# KiCad board Bread70.kicad_pcb (continued)
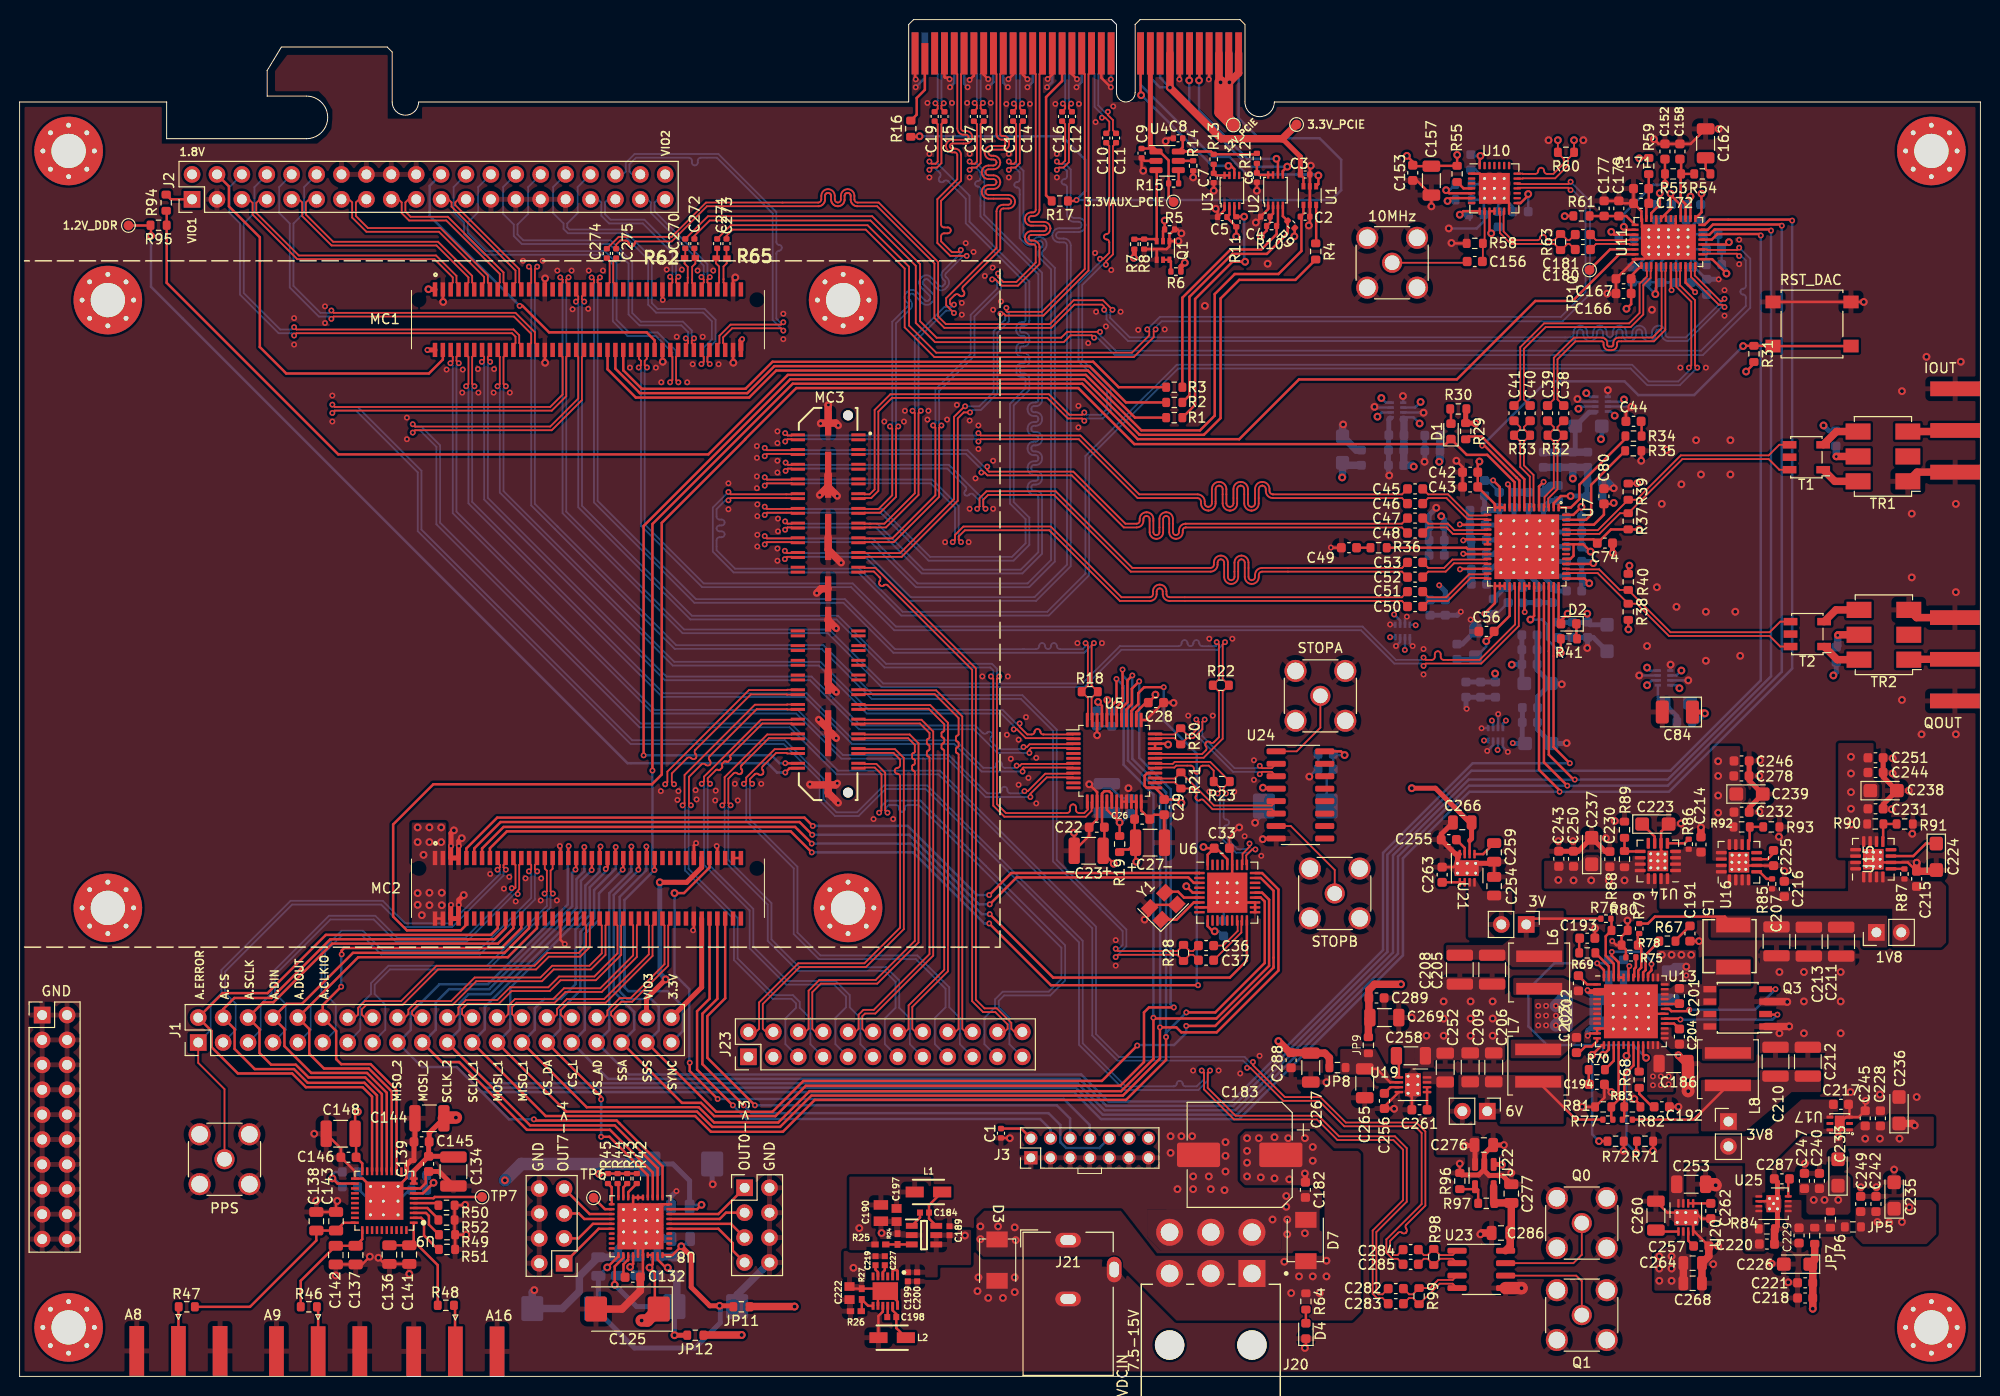
[diagram p0: board, top side]
## Copper pours and planes (outline as drawn; the poured copper is in the pictures) (continued)
GND on In1.Cu: 124.5,129.5 124.7,129.5 124.8,129.25 125.2,128.65 125.55,128.4 126,128.2 126.4,128.15 126.8,128.16 127.25,128.3 127.65,128.55 127.95,128.85 128.15,129.15 128.25,129.4 128.3,129.5 199.5,129.5 199.5,0.5 0.5,0.5 0.5,129.5 14.5,129.5 14.5,125.75 30.35,125.75 31.3,126.55 31.8,127.25 31.9,128.3 31.9,129.2 31.2,130.4 30.5,131.1 26.05,131.1 26.05,133.15 27.3,134.8 37.55,134.8 37.55,128.3 41.05,128.3 41.05,129.5 91,129.5 91,132.75 111.5,132.75 111.5,130 114,130 114,132.75 124.5,132.75
GND on In4.Cu: 124.55,129.5 124.75,129.5 124.95,129.1 125.1,128.85 125.3,128.65 125.45,128.5 125.85,128.3 126,128.25 126.25,128.2 126.45,128.15 126.8,128.15 127.05,128.2 127.35,128.35 127.6,128.45 127.95,128.8 128.15,129.05 128.25,129.25 128.35,129.5 199.55,129.5 199.55,0.5 0.55,0.5 0.55,129.5 14.55,129.5 14.55,125.75 30.35,125.75 31.3,126.55 31.8,127.25 31.9,128.3 31.95,128.3 31.9,129.2 31.2,130.4 30.5,131.1 26.05,131.1 26.05,133.15 27.3,134.8 37.55,134.8 37.55,128.3 41.1,128.3 41.1,129.5 91.05,129.5 91.05,132.75 111.55,132.75 111.55,130 114.05,130 114.05,132.75 124.55,132.75
/Clocks/VOUT+ on Top: 187.25,17.25 187.25,14.25 188,13.5 194.5,13.5 195.5,14.5 195.5,17.5 195,18 190.75,18 190,17.25
/Clocks/VOUT+ on In2.Cu: 188,23 187.5,22.5 187.5,14 188,13.5 198.5,13.5 199,14 199,110 177.5,122 167,122 161.5,117 161.5,108.5 162,108 177.5,108 192.5,99.5 192.5,34 196,31.5 196,24 195,23
/Power/Switching/SW1 on Top: 176.6,39.8 173.1,39.8 173.1,37.8 171,37.8 171,38.95 168.95,38.95 168.2,38.35 167.4,38.35 167.4,39.6 168.4,39.6 168.9,40 171.6,40 171.6,42.6 176.6,42.6
/Power/Switching/SW2 on Top: 173.1,34.9 176.9,34.9 176.9,32.2 171.6,32.2 171.6,33.4 168.4,33.4 167.4,34.4 167.4,35.6 168.5,35.6 168.5,34.75 168.85,34.4 171,34.4 171,37.3 173.1,37.3
IOVDD on Top: 181.5,19.75 181.5,18.5 182.25,18.5 182.25,16.75 182.5,16.5 186.5,16.5 186.75,16.75 186.75,20.25 186.5,20.5 184.75,20.5 184.25,19.75
IOVDD on In2.Cu: 178.5,103 178.5,100.5 178,100 157.5,100 150,92.5 150,80.5 151.5,79 160.5,79 161.5,78 161.5,66.5 177.5,52 177.5,32.5 186.5,23.5 186.5,17 185.5,16 182,16 181,17 181,22.13 171.5,31.7 171.5,49 148,71.5 148,78.5 144.5,81.9 144.5,98 145.5,99.5 149,99.5 153,103.5 178,103.5
VDCIN on Top: 134,23 136.5,23 136.8,22.7 136.8,6.6 135.9,5.7 118,5.7 111.5,12.2 98.3,12.2 97.6,12.9 97.6,16.1 98.4,16.9 112.32,16.9 115.9,12.3 133.1,12.3 133.1,18.9 132.5,19.5 125,19.5 124.5,20 124.5,24.5 125,25 132,25
VDCIN on Top: 171,40.3 168.35,40.3 168.35,39.8 167.4,39.8 167.4,40.3 166.5,40.3 166.5,41.5 167,41.5 167,43.5 171,43.5
VDCIN on Top: 97.05,14.95 92.4,14.95 92.4,12.6 88.9,12.6 88.9,10.1 93.65,10.1 93.65,11.35 97.05,11.35
VDCIN on Top: 166,34.2 167.2,34.2 168.7,32.7 168.7,29 166,29
VDCIN on Top: 161.3,37.6 161.3,36.8 160,36.8 157.7,35 154.5,35 154.5,38.5 157.8,38.5 160,37.6
VDCIN on Top: 43.5,46 40,46 40,56.5 43.5,56.5
VDCIN on In3.Cu: 99.75,67.75 99.75,57.75 129.5,28 154.45,40.78 159.75,43.5 172,43.5 173,42.5 173,31.45 136,8.95 136,1.5 135,0.5 81.5,0.5 80,2 80,26 82,28 102,28 103.75,29.75 103.75,37 103.25,37.5 82.5,37.5 76.75,43.25 76.75,60.75 74.5,63 44.25,63 43.5,62.25 43.5,46 36.25,46 34,48.25 34,71.75 35.75,73.5 94,73.5
Net-(C202-Pad2) on Top: 159.45,39.7 159.45,38.9 160.1,38.6 161.3,38.6 161.3,37.85 160,37.85 157.55,38.9 152.35,38.9 152.35,40.65 157.45,40.65
Net-(C203-Pad2) on Top: 161.3,36.6 160.1,36.6 157.3,34.35 152.1,34.35 152.1,32.45 157.05,32.45 158.8,34.05 159.3,34.05 159.3,35.2 160.05,35.85 161.3,35.85
Net-(JP5-A) on Top: 180,18 180,16 181,14.5 186.75,14.5 186.75,16 182,16 181.75,16.25 181.75,18

## Text on the board
User.Comments: 20° | EDGE BEVEL
